# Altium PCB 20bit_40MS_ADC_DIOT_iso.PcbDoc (part 2 of 3) (continued)
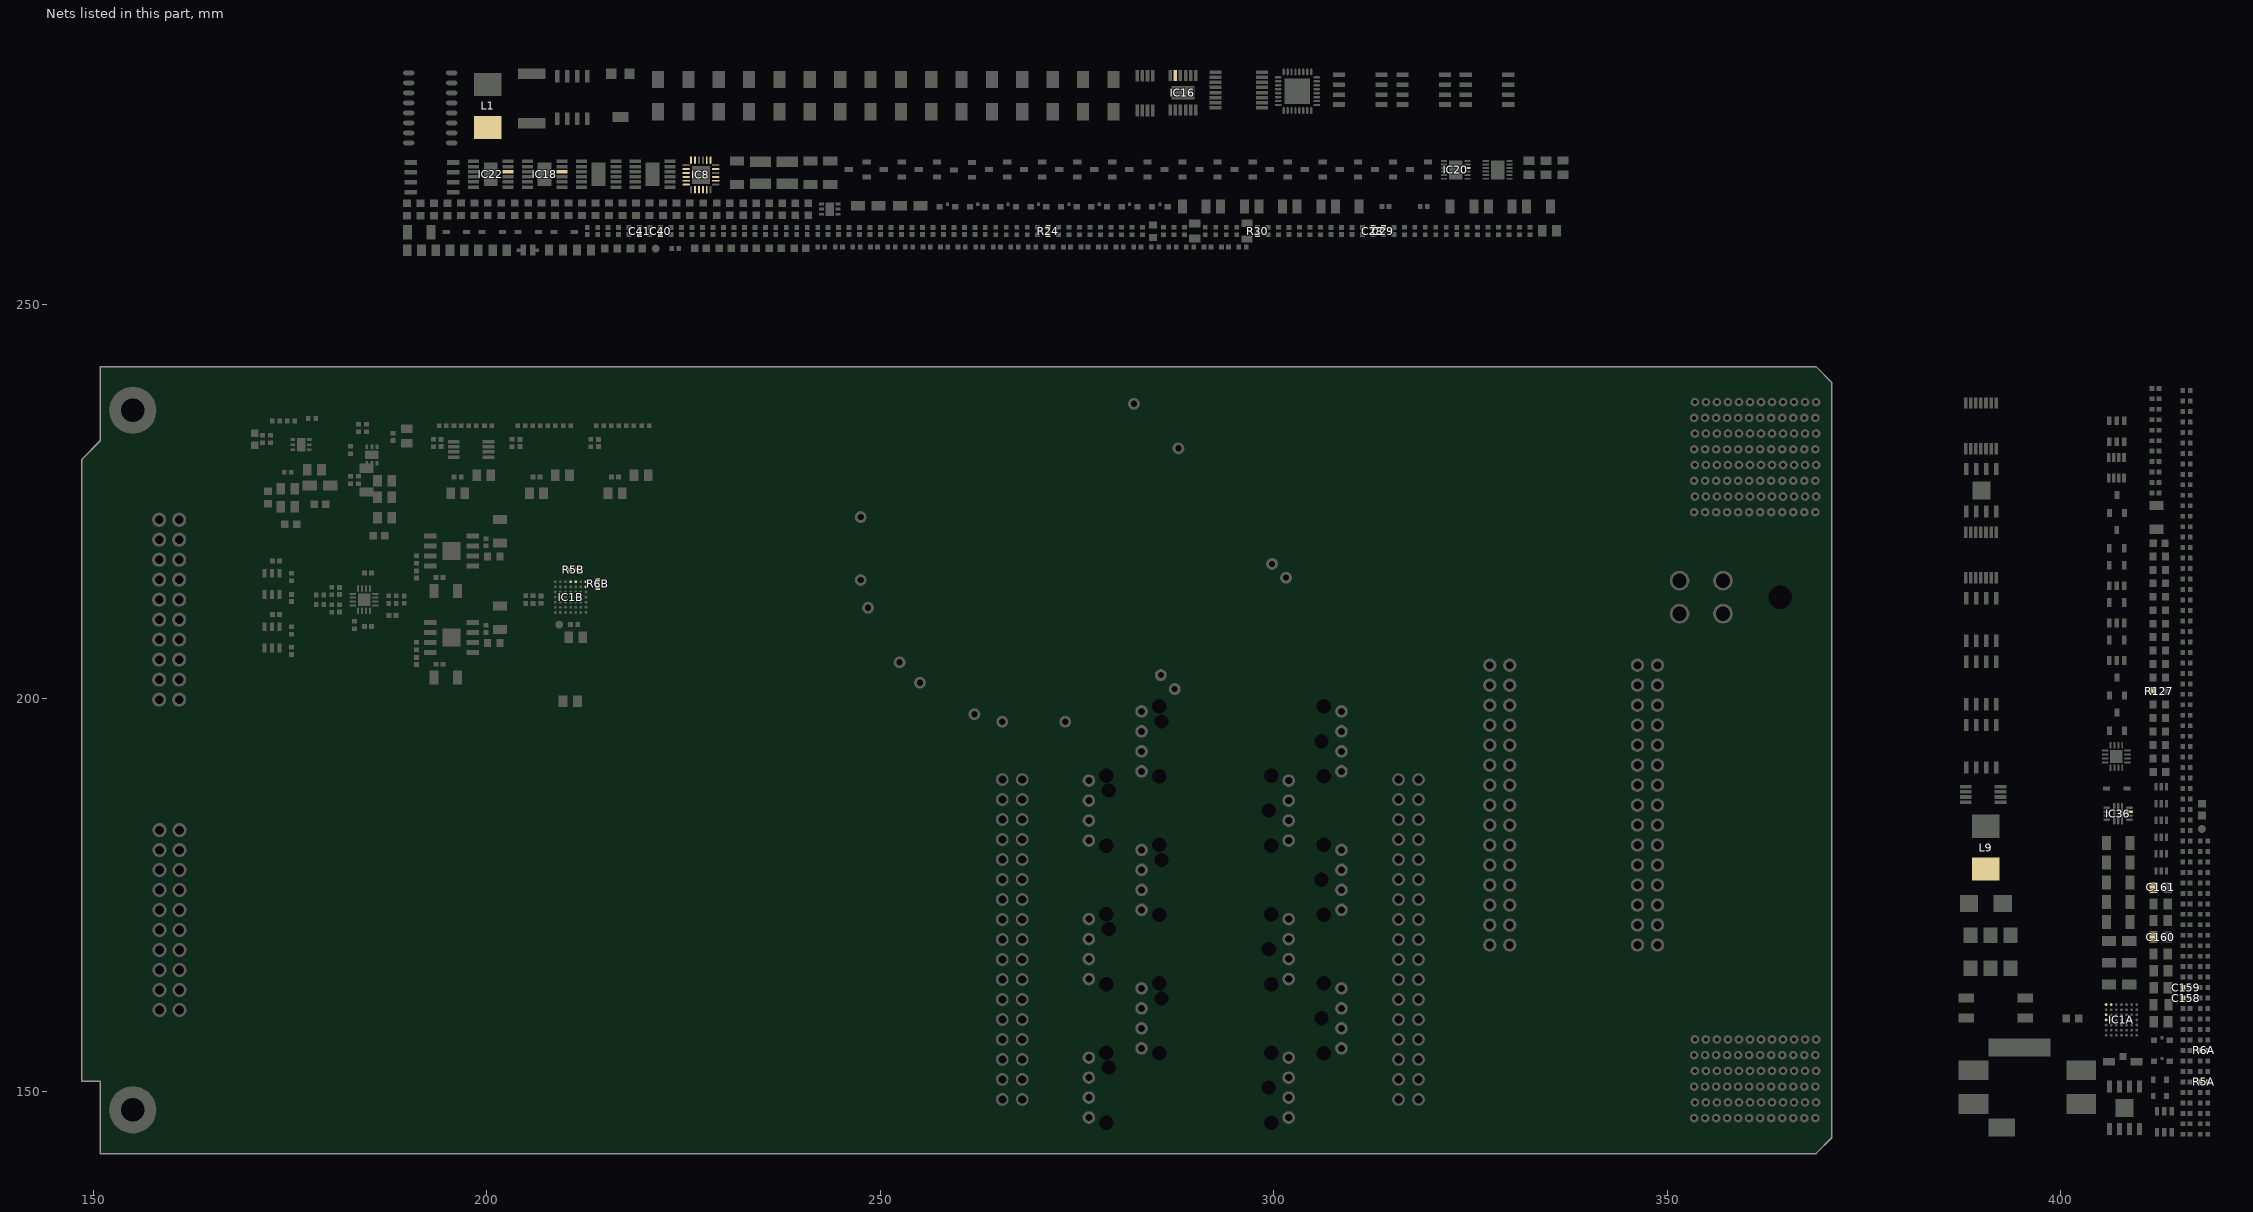
[diagram p2: the nets of this part, all layers, seen from the top]
## Part data (continued)
C73 C74 C90 C91 C92 C93 C94 C95 C131: library part CC1206_47UF_25V_20%_X5R, "Non-polarised capacitor", Case=1206, Manufacturer=TDK, Manufacturer Part Number=C3216X5R1E476M160AC, Tolerance=±20%, Voltage=25V, Author="CERN DEM JLC", Component Type=Standard, ComponentHeight=1.8mm, CreateDate=2013-11-20, HelpURL=\\cern.ch\dfs\Applications\Altium\Datasheets\CC1206_X5R_TDK_C.pdf, LatestRevisionDate=2013-11-20, Mounted=Yes, Part Description="SMD Multilayer Chip Ceramic Capacitor", Part Number=CC1206_47UF_25V_20%_X5R, Pin Count=2, SMD=Yes, Socket=No, Status=None, Table="Capacitors SMD", TC=X5R
C76 C96: library part CTE3216-18_10UF_10V_10%_LESR1800, "Polarised capacitor", Case=A, Manufacturer=GENERIC, Manufacturer1 ComponentHeight=1.8mm, Manufacturer1 Example=AVX, Manufacturer1 Part Number=TPSA106K010R1800, Tolerance=±10%, Voltage=10V, Author="CERN DEM JLC", Component Type=Standard, CreateDate=5/5/2008, HelpURL=\\cern.ch\dfs\Applications\Altium\Datasheets\CTE-LESR_AVX_TPS.pdf, LatestRevisionDate=1/20/2009, Manufacturer Part Number=CTE3216-18_10UF_10V_10%_LESR1800, Mounted=Yes, Part Description="Low ESR 1R8 Solid Tantalum Chip Capacitor", Part Number=CTE3216-18_10UF_10V_10%_LESR1800, Pin Count=2, Sense=No, SMD=Yes, Socket=No, Status=Preferred
C113 C116: library part CC0805_47UF_6.3V_10%_X5R, "Non-polarised capacitor", Case=0805, Manufacturer=GENERIC, Manufacturer1 ComponentHeight=1.4mm, Manufacturer1 Example=KEMET, Manufacturer1 Part Number=C0805C476K9PAC, Tolerance=±10%, Voltage=6.3V, Author="CERN DEM HF", Component Type=Standard, CreateDate=7/10/2023, HelpURL=\\cern.ch\dfs\Applications\Altium\Datasheets\CC0805_X5R_KEMET.pdf, LatestRevisionDate=7/10/2023, Manufacturer Part Number=CC0805_47UF_6.3V_10%_X5R, Mounted=Yes, Part Description="SMD Multilayer Chip Ceramic Capacitor", Part Number=CC0805_47UF_6.3V_10%_X5R, Pin Count=2, Sense=No, SMD=Yes, Socket=No, Status=Preferred, TC=X5R
C123 C125 C129 C134 C150 C152: library part CC0402_1UF_16V_10%_X5R, "Non-polarised capacitor", Case=0402, Manufacturer=GENERIC, Manufacturer1 ComponentHeight=0.55mm, Manufacturer1 Example=TDK, Manufacturer1 Part Number=C1005X5R1C105KT, Tolerance=±10%, Voltage=16V, Author="CERN DEM JLC", Component Type=Standard, CreateDate=10/25/2012, HelpURL=\\cern.ch\dfs\Applications\Altium\Datasheets\CC0402_X5R_TDK_C.pdf, LatestRevisionDate=10/25/2012, Manufacturer Part Number=CC0402_1UF_16V_10%_X5R, Mounted=Yes, Part Description="SMD Multilayer Chip Ceramic Capacitor", Part Number=CC0402_1UF_16V_10%_X5R, Pin Count=2, Sense=No, SMD=Yes, Socket=No, Status=Preferred, TC=X5R
C130 C135: library part CC1206_10UF_25V_10%_X7R, "Non-polarised capacitor", Case=1206, Manufacturer=GENERIC, Manufacturer1 ComponentHeight=1.8mm, Manufacturer1 Example=KEMET, Manufacturer1 Part Number=C1206C106K4RACTU, Manufacturer Part Number=CC1206_10uF_25V_10%_X7R, Tolerance=±10%, Voltage=25V, Author="CERN DEM JLC", Component Type=Standard, CreateDate=2012-09-12, HelpURL=\\cern.ch\dfs\Applications\Altium\Datasheets\CC1206_X7R_KEMET.pdf, LatestRevisionDate=2012-09-12, Mounted=Yes, Part Description="SMD Multilayer Chip Ceramic Capacitor", Part Number=CC1206_10UF_25V_10%_X7R, Pin Count=2, SMD=Yes, Socket=No, Status=Preferred, Table="Capacitors SMD", TC=X7R
C138 C146: library part CC0603_270PF_50V_5%_NP0, "Non-polarised capacitor", Case=0603, Manufacturer=GENERIC, Manufacturer1 ComponentHeight=0.87mm, Manufacturer1 Example=PHYCOMP, Manufacturer1 Part Number=223886715271, Tolerance=±5%, Voltage=50V, Author="CERN DEM JLC", Component Type=Standard, CreateDate=12/3/2007, HelpURL=\\cern.ch\dfs\Applications\Altium\Datasheets\CC0603_NP0_PHYCOMP.pdf, LatestRevisionDate=12/3/2007, Manufacturer Part Number=CC0603_270PF_50V_5%_NP0, Mounted=Yes, Part Description="SMD Multilayer Chip Ceramic Capacitor", Part Number=CC0603_270PF_50V_5%_NP0, Pin Count=2, Sense=No, SMD=Yes, Socket=No, Status=Preferred, TC=C0G/NP0
C139 C140: library part CMIC1210_220PF_100V_0.5PF_CORNELL_MC12F, "Non-polarised capacitor", Case=1210, Manufacturer="CORNELL DUBILIER", Manufacturer Part Number=MC12FA221D-F, Tolerance=±0.5pF, Voltage=100V, Author="CERN DEM JLC", Component Type=Standard, ComponentHeight=2mm, CreateDate=8/10/2011, HelpURL=\\cern.ch\dfs\Applications\Altium\Datasheets\CMIC1210_CORNELL_MC.pdf, LatestRevisionDate=8/10/2011, Mounted=Yes, Part Description="SMD RF Multilayer Mica Capacitor (Type MC)", Part Number=CMIC1210_220PF_100V_0.5PF_CORNELL_MC12F, Pin Count=2, Sense=No, SMD=Yes, Socket=No, Status="Not Recommended"
C142: library part CC0603_1NF_50V_5%_NP0, "Non-polarised capacitor", Case=0603, Manufacturer=GENERIC, Manufacturer1 ComponentHeight=0.9mm, Manufacturer1 Example="YAGEO PHYCOMP", Manufacturer1 Part Number=CC0603JRNPO9BN102, Tolerance=±5%, Voltage=50V, Author="CERN DEM JLC", Component Type=Standard, CreateDate=10/22/2012, HelpURL=\\cern.ch\dfs\Applications\Altium\Datasheets\CC0805_NP0_PHYCOMP_16VTO50V.pdf, LatestRevisionDate=10/22/2012, Manufacturer Part Number=CC0603_1NF_50V_5%_NP0, Mounted=Yes, Part Description="SMD Multilayer Chip Ceramic Capacitor", Part Number=CC0603_1NF_50V_5%_NP0, Pin Count=2, Sense=No, SMD=Yes, Socket=No, Status=Preferred, TC=C0G/NP0
C143 C144 C173 C182: library part CC0603_1UF_25V_10%_X7R, "Non-polarised capacitor", Case=0603, Manufacturer=GENERIC, Manufacturer1 ComponentHeight=0.9mm, Manufacturer1 Example=MURATA, Manufacturer1 Part Number=GRM188R71E105KA12D, Tolerance=±10%, Voltage=25V, Author="CERN DEM JLC", Component Type=Standard, HelpURL=\\cern.ch\dfs\Applications\Altium\Datasheets\CC0603_X7R_MURATA.pdf, Manufacturer Part Number=CC0603_1UF_25V_10%_X7R, Mounted=Yes, Part Description="SMD Multilayer Chip Ceramic Capacitor", Part Number=CC0603_1UF_25V_10%_X7R, Pin Count=2, Sense=No, SMD=Yes, Socket=No, Status=None, TC=X7R
  C143 C144: CreateDate=1/18/2011, LatestRevisionDate=1/18/2011
  C173 C182: CreateDate=18.01.2011, LatestRevisionDate=18.01.2011
C174: library part CTE3216-18_4.7UF_10V_10%_AVX_TPSA475K010T1400, "Polarised capacitor", Case=A, Manufacturer=AVX, Manufacturer Part Number=TPSA475K010T1400, Tolerance=±10%, Voltage=10V, Author="CERN DEM JLC", Component Type=Standard, ComponentHeight=1.8mm, CreateDate=23.01.2018, HelpURL=\\cern.ch\dfs\Applications\Altium\Datasheets\CTE-LESR_AVX_TPS-AUTO.pdf, LatestRevisionDate=23.01.2018, Mounted=Yes, Part Description="Low ESR 1R4 Automotive Solid Tantalum Chip Capacitor", Part Number=CTE3216-18_4.7UF_10V_10%_AVX_TPSA475K010T1400, Pin Count=2, Sense=No, SMD=Yes, Socket=No, Status=Preferred
D1 D4 D7 D8: "Schottky Diode", Case=SOD-323, Manufacturer=INFINEON, Power=750mA, Voltage=40V, Author="CERN DEM JLC", Bonding=No, Component Type=Standard, ComponentHeight=1.1mm, CreateDate=11/12/2014, Device=BAT165, HelpURL=\\cern.ch\dfs\Applications\Altium\Datasheets\BAT165.pdf, LatestRevisionDate=11/12/2014, Manufacturer Part Number=BAT165, Mounted=Yes, PackageDescription="Small Outline Diode (SOD-323), 1.70mm W X 1.25mm L X 1.10mm H body,  IPC Medium Density", Part Description="Medium Power AF Schottky Diode", Part Number=BAT165, Pin Count=2, PressFit=No, Sense=No, SMD=Yes, Socket=No
D2 D3 D5 D6 D9 D10 D11 D12 D13 D14 D15 D16 D17 D18 D19 D20: "Schottky Diode", Case=DO-214AC, Manufacturer="VISHAY GENERAL SEMICONDUCTOR", Power=1A, Voltage=60V, Author="CERN DEM JLC", Bonding=No, Component Type=Standard, ComponentHeight=2.29mm, CreateDate=7/15/2008, Device=SS16, HelpURL=\\cern.ch\dfs\Applications\Altium\Datasheets\SS16.pdf, LatestRevisionDate=8/23/2010, Manufacturer Part Number=SS16, Mounted=Yes, PackageDescription="DO-214-AC/SMA Diode, Molded Body; 5.10mm L X 2.67mm W X 2.29mm H, IPC Medium Density", Part Description="Surface Mount Schottky Barrier Rectifier", Part Number=SS16, Pin Count=2, PressFit=No, Sense=No, SMD=Yes, Socket=No
D21: "Zener Diode", Case=DO-214AA, Manufacturer="FAIRCHILD SEMICONDUCTOR", Power=600W, Voltage=12V, Author="CERN DEM JLC", Bonding=No, Component Type=Standard, ComponentHeight=2.65mm, CreateDate=10.04.2013, Device=SMBJ12A, HelpURL=\\cern.ch\dfs\Applications\Altium\Datasheets\SMBJ.pdf, LatestRevisionDate=10.04.2013, Manufacturer Part Number=SMBJ12A, Mounted=Yes, PackageDescription="DO-214-AA/SMB Diode, Molded Body; 5.34mm L X 3.625mm W X 2.65mm H, IPC Medium Density", Part Description="Uni-Directional Transient Voltage Suppressor Diode", Part Number=SMBJ12A, Pin Count=2, PressFit=No, Sense=No, SMD=Yes, Socket=No
D22: "Schottky Diode", Case=SOD323, Manufacturer=INFINEON, Power=750mA, Voltage=40V, Author="CERN DEM JLC", Bonding=No, Component Type=Standard, ComponentHeight=1.1mm, CreateDate=12.11.2014, Device=BAT165, HelpURL=\\cern.ch\dfs\Applications\Altium\Datasheets\BAT165.pdf, LatestRevisionDate=12.11.2014, Manufacturer Part Number=BAT165, Mounted=Yes, PackageDescription="Small Outline Diode (SOD-323), 1.70mm W X 1.25mm L X 1.10mm H body,  IPC Medium Density", Part Description="Medium Power AF Schottky Diode", Part Number=BAT165, Pin Count=2, PressFit=No, Sense=No, SMD=Yes, Socket=No
D23 D24 D27: "Fivefold ESD Protection Diode Arrays", Case=SOT363, Manufacturer=NEXPERIA, Power=200W, Voltage=3.3V, Author="CERN DEM WB", Bonding=No, Component Type=Standard, ComponentHeight=1.1mm, CreateDate=05.07.2021, Device=PESD3V3L5UY, HelpURL=\\cern.ch\dfs\Applications\Altium\Datasheets\PESD3V3L5UY.pdf, LatestRevisionDate=05.07.2021, Manufacturer Part Number=PESD3V3L5UY, Mounted=Yes, PackageDescription="SOT363, SC-88, 0.65mm Pitch; 6 Pin, 1.25mm W X 2.00mm L X 1.10mm H body, IPC Medium Density", Part Description="Fivefold ESD Protection Diode Arrays (30kV)", Part Number=PESD3V3L5UY, Pin Count=6, PressFit=No, Sense=No, SMD=Yes, Socket=No
D25 D26: "Schottky Diode", Case=SOD-523F, Manufacturer=COMCHIP, Power=500mA, Voltage=20V, Author="CERN DEM HF", Bonding=No, Component Type=Standard, ComponentHeight=1mm, CreateDate=13.10.2023, Device=CDBU0520-HF, HelpURL=\\cern.ch\dfs\Applications\Altium\Datasheets\CDBU0520-HF.pdf, LatestRevisionDate=13.10.2023, Manufacturer Part Number=CDBU0520-HF, Mounted=Yes, PackageDescription="Small Outline Diode Flat Lead (SOD-523F), Body; 1.80mm L X 1mm W X 0.85mm H", Part Description="20V Surface mount Schottky Barrier Diode", Part Number=CDBU0520-HF, Pin Count=2, PressFit=No, Sense=No, SMD=Yes, Socket=No
FL1: library part FIL_MURATA_BNX022-01L, "Block Type EMIFIL (LC Combined)", Manufacturer=MURATA, Manufacturer Part Number=BNX022-01L, Resistance=0.5R, Author="CERN DEM JLC", Component Type=Standard, ComponentHeight=3.3mm, CreateDate=10.10.2012, HelpURL=\\cern.ch\dfs\Applications\Altium\Datasheets\FIL_MURATA_BNX022-01L.pdf, LatestRevisionDate=10.10.2012, Mounted=Yes, Part Description="Block Type EMIFIL (LC Combined) SMD Type, BNX02* Series", Part Number=FIL_MURATA_BNX022-01L, Pin Count=2, Sense=No, SMD=Yes, Socket=No, Status=None
IC1A IC1B: "20-Bit, 40 MSPS, Differential SAR ADC", Case=BGA, Manufacturer="Analog Devices", Author="Michal Beldyga", Component Type=Standard, CreateDate=1/31/2025, Device=AD4080BBCZ, LastRevision=1/31/2025, Manufacturer Part Number=AD4080BBCZ, PackageDescription="BGA, 49-Leads, Body 5.00x5.00mmx1.38mm, Pitch 0.65mm", Part Description="20-Bit, 40 MSPS, Differential SAR ADC", Part Number=AD4080BBCZ, Pin Count=49, Status=Active
IC2A IC2B IC6A IC6B: "Rail-to-Rail Output 215MHz, 1.1nV/√Hz Op Amp/SAR ADC Driver", Case=SOT23-6, Manufacturer="Linear Technology", Author="Michal Beldyga", Component Type=Standard, CreateDate=1/31/2025, Device=LT6236HS6#TRMPBF, LastRevision=1/31/2025, Manufacturer Part Number=LT6236HS6#TRMPBF, PackageDescription="SOT23, 0.95mm pitch; 6 pin, 1.625mm W X 2.90mm L X 1.00mm H body, IPC Medium Density", Part Description="Rail-to-Rail Output 215MHz, 1.1nV/√Hz Op Amp/SAR ADC Driver", Part Number=LT6236HS6#TRMPBF, Pin Count=6, Status=Active
IC3A IC3B IC5A IC5B: "Unity-Gain Stable, Ultralow Distortion, 1 nV/sqrt Hz Voltage Noise, High Speed Operational Amplifier", Case=SOIC8, Manufacturer="ANALOG DEVICES", Manufacturer Part Number=ADA4899-1YRD, Author="CERN DEM JLC", Bonding=No, Component Type=Standard, ComponentHeight=1.75mm, CreateDate=1/13/2010, Device=ADA4899-1YRDZ, HelpURL=\\cern.ch\dfs\Applications\Altium\Datasheets\ADA4899-1YRDZ.pdf, LatestRevisionDate=3/31/2022, Mounted=Yes, PackageDescription="SOIC, 1.27mm Pitch; 8 Pin, 3.90mm W X 4.90mm L X 1.75mm H body (w/Thermal Tab 2.29 X 2.29mm), IPC Medium Density", Part Description="Unity-Gain Stable, Ultralow Distortion, 1nV/sqrt Hz Voltage Noise, High Speed Operational Amplifier", Part Number=ADA4899-1YRDZ, Pin Count=9, PressFit=No, Sense=No, SMD=Yes, Socket=No
IC4A IC4B: "High Speed, ±0.1 µV/˚C Offset Drift, Fully Differential ADC Driver", Case=QFN, Manufacturer="Analog Devices", Author="Michal Beldyga", Component Type=Standard, CreateDate=1/31/2025, Device=ADA4945-1ACPZ-R2, LastRevision=1/31/2025, Manufacturer Part Number=ADA4945-1ACPZ-R2, PackageDescription="QFN, 16-Leads, Body 3.00x3.00mm, Pitch 0.50mm, Thermal Pad 1.60x1.60mm, IPC Medium Density", Part Description="High Speed, ±0.1 µV/˚C Offset Drift, Fully Differential ADC Driver", Part Number=ADA4945-1ACPZ-R2, Pin Count=17, Status=Active
IC7: "Wideband Synthesizer with Integrated VCO", Case=QFN, Manufacturer="Analog Devices", Manufacturer Part Number=ADF4351BCP, Author="Michal Beldyga", Component Type=Standard, CreateDate=2/17/2025, Device=ADF4350BCPZ, LastRevision=2/17/2025, PackageDescription="QFN, (MO-220-WHHD) 0.50mm Pitch, Square; 32 Pin, 5.00mm L X 5.00mm W X 0.80mm H body (w/Thermal Tab 3.25 X 3.25mm), IPC Medium Density", Part Description="Wideband Synthesizer with Integrated VCO", Part Number=ADF4350BCPZ, Pin Count=33, Status=Active
IC8: "1.65 GHz Clock Fanout Buffer with Output Dividers and Delay Adjust", Case=QFN, Manufacturer="Analog Devices", Author="Michal Beldyga", Component Type=Standard, CreateDate=2/8/2025, Device=AD9508BCPZ, LastRevision=2/8/2025, Manufacturer Part Number=AD9508BCPZ, PackageDescription="QFN, 24-Leads, Body 4.00x4.00mm, Pitch 0.50mm, Thermal Pad 2.30x2.30mm, IPC Medium Density", Part Description="1.65 GHz Clock Fanout Buffer with Output Dividers and Delay Adjust", Part Number=AD9508BCPZ, Pin Count=25, Status=Active
IC9: library part FIN1027A, "3.3V LVDS, 2-Bit, High-Speed, Differential Driver", Case=SOIC8, Manufacturer="ON Semiconductor", Author=GK, Bonding=No, Component Type=Standard, ComponentHeight=0.8mm, CreateDate=08/11/2016, Device=FIN1027AMX, HelpURL=\\cern.ch\dfs\Applications\Altium\Datasheets\FIN1101K8X.pdf, LatestRevisionDate=08/11/2016, Manufacturer Part Number=FIN1027AMX, Mounted=Yes, PackageDescription="SOIC 8, Pitch 1.27mm - Body 4x5mm, IPC Medium Density", Part Description="3.3V LVDS, 2-Bit, High-Speed, Differential Driver", Part Number=FIN1027AMX, Pin Count=8, PressFit=No, Sense=No, SMD=Yes, Socket=No
IC10: "3-Line to 8-Line Decoder/Demultiplexer", Case=TSSOP16, Manufacturer="NXP SEMICONDUCTORS", Author="CERN DEM JLC", Bonding=No, Component Type=Standard, ComponentHeight=1.1mm, CreateDate=6/9/2015, Device=74HC138PW, HelpURL=\\cern.ch\dfs\Applications\Altium\Datasheets\74HC138PW.pdf, LatestRevisionDate=6/9/2015, Manufacturer Part Number=74HC138PW, Mounted=Yes, PackageDescription="SOP, 0.65mm Pitch; 16 Pin, 4.40mm W X 5.00mm L X 1.10mm H body IPC Medium Density", Part Description="3-Line to 8-Line Decoder/Demultiplexer, Inverting", Part Number=74HC138PW, Pin Count=16, PressFit=No, Sense=No, SMD=Yes, Socket=No
IC11 IC12 IC13: library part FIN1028, "3.3V LVDS 2-Bit High-Speed Differential Reciever", Case=SOIC8, Manufacturer="ON Semiconductor", Author=GK, Bonding=No, Component Type=Standard, ComponentHeight=0.8mm, CreateDate=08/11/2016, Device=FIN1028MX, HelpURL=\\cern.ch\dfs\Applications\Altium\Datasheets\FIN1101K8X.pdf, LatestRevisionDate=08/11/2016, Manufacturer Part Number=FIN1028MX, Mounted=Yes, PackageDescription="SOIC 8, Pitch 1.27mm - Body 4x5mm, IPC Medium Density", Part Description="3.3V LVDS 2-Bit High-Speed Differential Reciever", Part Number=FIN1028MX, Pin Count=8, PressFit=No, Sense=No, SMD=Yes, Socket=No
IC14 IC16 IC18 IC22 IC23: "20V, 500mA, Ultralow Noise, Ultrahigh PSRR Linear Regulator", Case=MSOP12, Manufacturer="LINEAR TECHNOLOGY", Author="CERN DEM HF", Bonding=No, Component Type=Standard, ComponentHeight=1.1mm, CreateDate=5/18/2022, Device=LT3045EMSE, HelpURL=\\cern.ch\dfs\Applications\Altium\Datasheets\LT3045.pdf, LatestRevisionDate=5/18/2022, Manufacturer Part Number=LT3045EMSE, Mounted=Yes, PackageDescription="SOP, 0.65mm Pitch; 12 Pin, 3.00mm W X 4.039mm L X 1.10mm H body (w/Thermal Tab 1.75 X 2.94 mm), IPC Medium Density", Part Description="20V, 500mA, Ultralow Noise, Ultrahigh PSRR Linear Regulator", Part Number=LT3045EMSE, Pin Count=13, PressFit=No, Sense=No, SMD=Yes, Socket=No
IC15 IC20: library part LT3094EDD#PBF, "-20V, 500mA, Ultralow Noise, Ultrahigh PSRR Negative Linear Regulator", Case=SON12, Manufacturer="LINEAR TECHNOLOGY", Author="CERN DEM JLC", Bonding=No, Component Type=Standard, ComponentHeight=0.8mm, CreateDate=11/12/2018, Device=LT3094EDD, HelpURL=\\cern.ch\dfs\Applications\Altium\Datasheets\LT3094EDD#PBF.pdf, LatestRevisionDate=2/3/2022, Manufacturer Part Number=LT3094EDD, Mounted=Yes, PackageDescription="SON, 0.45mm Pitch; 12 Pin, 3.00mm W X 3.00mm L X 0.80mm H body (w/Thermal Tab 1.75 X 2.48mm), IPC Medium Density", Part Description="-20V, 500mA, Ultralow Noise, Ultrahigh PSRR Negative Linear Regulator", Part Number=LT3094EDD#PBF, Pin Count=13, PressFit=No, Sense=No, SMD=Yes, Socket=No
IC17 IC19 IC21: "3.3V, 500mA Low-Noise, Low-IQ LDO", Case=SON6, Manufacturer="TEXAS INSTRUMENTS", Author="CERN DEM JLC", Bonding=No, Component Type=Standard, ComponentHeight=0.8mm, CreateDate=6/6/2017, Device=LP5912-3.3DRVT, HelpURL=\\cern.ch\dfs\Applications\Altium\Datasheets\LP5912-3.3DRVT.pdf, LatestRevisionDate=6/6/2017, Manufacturer Part Number=LP5912-3.3DRVT, Mounted=Yes, PackageDescription="SON, 0.65mm Pitch; 6 Pin, 2.00mm W X 2.00mm L X 0.80mm H body (w/Thermal Tab 1.10 X 1.70mm),  IPC Medium Density", Part Description="3.3V, 500mA Low-Noise, Low-IQ, LDO Linear Regulator", Part Number=LP5912-3.3DRVT, Pin Count=7, PressFit=No, Sense=No, SMD=Yes, Socket=No
IC24 IC25: "0.25ppm Noise, Low Drift Precision Buffered Voltage Reference", Case=SSOP8, Manufacturer="ANALOG DEVICES", Author="CERN DEM HF", Bonding=No, Component Type=Standard, ComponentHeight=1.1mm, CreateDate=12/13/2021, Device=LTC6655BHMS8-3, HelpURL=\\cern.ch\dfs\Applications\Altium\Datasheets\LTC6655BHMS8-3.pdf, LatestRevisionDate=12/13/2021, Manufacturer Part Number=LTC6655BHMS8-3, Mounted=Yes, PackageDescription="SOP, 8-Leads, Body 3.1x3.1mm (max), Pitch 0.65mm, IPC Medium Density", Part Description="3V, 0.25ppm Noise, Low Drift Precision Buffered Voltage Reference", Part Number=LTC6655BHMS8-3, Pin Count=8, PressFit=No, Sense=No, SMD=Yes, Socket=No
IC26 IC27 IC28 IC29 IC33 IC34: "High Voltage Galvanic Insulation Link for DC to 5MBaud", Manufacturer=BROADCOM, Author="CERN DEM HF", Bonding=No, Component Type=Standard, ComponentHeight=6.7mm, CreateDate=2/10/2022, Device=AFBR-390525RZ, HelpURL=\\cern.ch\dfs\Applications\Altium\Datasheets\AFBR-390525RZ.pdf, LatestRevisionDate=3/21/2022, Manufacturer Part Number=AFBR-390525RZ, Mounted=Yes, PackageDescription="BROADCOM AFBR-390525RZ Case, Body 30.46mm L X 10.16mm W X 6.7mm H", Part Description="High Voltage Galvanic Insulation Link for DC to 5MBaud, Length 25mm, 15kV Voltage Suppression", Part Number=AFBR-390525RZ, Pin Count=8, PressFit=No, Sense=No, SMD=No, Socket=No
IC30: "Improved high-voltage resonant controller", Case=SOP, Manufacturer=STMicroelectronics, Author="Michal Beldyga", Component Type=Standard, CreateDate=2/9/2025, Device=L6599AD, LastRevision=2/9/2025, Manufacturer Part Number=L6599AD, PackageDescription="SOP, 16-Leads, Body 9.90x3.90mm, Pitch 1.27mm, IPC Medium Density", Part Description="Improved high-voltage resonant controller", Part Number=L6599AD, Pin Count=16, Status=Active
IC31: "Optocoupler", Manufacturer="TT Electronics", Author="Michal Beldyga", Component Type=Standard, CreateDate=2/9/2025, Device=OPI1264C, LastRevision=2/9/2025, Manufacturer Part Number=OPI1264C, PackageDescription="Low‐cost plastic housing", Part Description="Optically Coupled Isolator", Part Number=OPI1264C, Pin Count=4, Status=Active
IC32 IC39: "Precision Reference 1=Cathode 2=Adj 3=Anode", Case=SOT23-3, Manufacturer="TEXAS INSTRUMENTS", Author="CERN DEM JMW", Bonding=No, Component Type=Standard, ComponentHeight=1.12mm, CreateDate=10/22/2015, Device=TL431AIDBZ, HelpURL=\\cern.ch\dfs\Applications\Altium\Datasheets\TL431AIDBZ.pdf, LatestRevisionDate=10/22/2015, Manufacturer Part Number=TL431AIDBZ, Mounted=Yes, PackageDescription="SOT, 0.95mm, Pitch; 3 Pin,1.30mm W X 2.92mm L X 1.12mm H body, IPC Medium Density", Part Description="Vref (2.495V) To 36V 1% Precision Programmable Reference", Part Number=TL431AIDBZ, Pin Count=3, PressFit=No, Sense=No, SMD=Yes, Socket=No
IC35: "2.7V to 5.5V, 250µA, Rail-to-Rail Output 16-Bit nanoDAC", Case=SOT23-8, Manufacturer="ANALOG DEVICES", Manufacturer Part Number=AD5662BRJZ-2, Author="CERN DEM JLC", Bonding=No, Component Type=Standard, ComponentHeight=1.45mm, CreateDate=5/9/2012, Device=AD5662BRJZ-2500RL7, HelpURL=\\cern.ch\dfs\Applications\Altium\Datasheets\AD5662BRJZ-2500RL7.pdf, LatestRevisionDate=3/25/2022, Mounted=Yes, PackageDescription="SOT, 0.65mm pitch; 8 pin, 1.625mm W X 2.90mm L X 1.45mm H body, IPC Medium Density", Part Description="2.7V to 5.5V, 250μA, Rail-to-Rail Output 16-Bit nanoDAC", Part Number=AD5662BRJZ-2500RL7, Pin Count=8, PressFit=No, Sense=No, SMD=Yes, Socket=No
IC36: "3V-17V 2A Step-Down Converter, High Accuracy, With DCS-Control", Case=QFN14, Manufacturer="TEXAS INSTRUMENTS", Author="CERN DEM MR", Bonding=No, Component Type=Standard, ComponentHeight=1mm, CreateDate=08.02.2019, Device=TPS62148RGX, HelpURL=\\cern.ch\dfs\Applications\Altium\Datasheets\TPS62148RGX.pdf, LatestRevisionDate=08.02.2019, Manufacturer Part Number=TPS62148RGX, Mounted=Yes, PackageDescription="TEXAS Case Style (R-VQFN-HR-N11), 0.50mm Pitch, 11 Pin, 2.00mm W X 3.00mm L X 1.00mm H body", Part Description="3V-17V 2A Step-Down Converter, High Accuracy, with DCS-Control", Part Number=TPS62148RGX, Pin Count=11, PressFit=No, Sense=No, SMD=Yes, Socket=No
IC37: "Digital Temperature Sensor and Thermal Watchdog with Two-Wire Interface", Case=SSOP8, Manufacturer="TEXAS INSTRUMENTS", Author="CERN DEM JLC", Bonding=No, Component Type=Standard, ComponentHeight=1.09mm, CreateDate=15.10.2012, Device=LM75AIMM/NOPB, HelpURL=\\cern.ch\dfs\Applications\Altium\Datasheets\LM75AIMM-NOPB.pdf, LatestRevisionDate=15.10.2012, Manufacturer Part Number=LM75AIMM/NOPB, Mounted=Yes, PackageDescription="SOP, 0.65mm pitch; 8 pin,3.00mm W X 3.00mm L X 1.09mm H bodyI, PC Medium Density", Part Description="-25° to +100°C ±2°C Digital Temperature Sensor and Thermal Watchdog with Two-Wire Interface", Part Number=LM75AIMM/NOPB, Pin Count=8, PressFit=No, Sense=No, SMD=Yes, Socket=No
IC38: "500mA Peak Output LDO Regulator", Case=SOT23-5, Manufacturer="MICROCHIP TECHNOLOGY", Author="CERN DEM WB", Bonding=No, Component Type=Standard, ComponentHeight=1.45mm, CreateDate=2019-04-16, Device=MIC5219-3.3YM5, HelpURL=\\cern.ch\dfs\Applications\Altium\Datasheets\MIC5219-3.3YM5.pdf, LatestRevisionDate=2019-04-16, Manufacturer Part Number=MIC5219-3.3YM5, Mounted=Yes, PackageDescription="SOT, 0.95mm pitch; 5 pin, 1.60mm W X 2.90mm L X 1.45mm H body, IPC Medium Density", Part Description="3.3V 500mA Peak Output Low Drop-Out  (LDO) Regulator", Part Number=MIC5219-3.3YM5, Pin Count=5, PressFit=No, Sense=No, SMD=Yes, Socket=No
IC40 IC41: Case=TSSOP14, Manufacturer="NXP SEMICONDUCTORS", Author="CERN DEM JLC", Bonding=No, Component Type=Standard, ComponentHeight=1.1mm, CreateDate=2014-11-19, Device=74HC4066PW, HelpURL=\\cern.ch\dfs\Applications\Altium\Datasheets\74HC4066PW.pdf, LatestRevisionDate=2014-11-19, Manufacturer Part Number=74HC4066PW, Mounted=Yes, PackageDescription="SOP, 14-Leads, Body 4.4x5mm (max), Pitch 0.65mm, IPC Medium Density", Part Description="Quad Single-Pole Single-Throw Analog Switch", Part Number=74HC4066PW, Pin Count=14, PressFit=No, SMD=Yes, Socket=No, Table="Standard Logic"
IC42: "LinCMOS Timer", Case=SOIC8, Manufacturer="TEXAS INSTRUMENTS", Author="CERN DEM JMW", Bonding=No, Component Type=Standard, ComponentHeight=1.75mm, CreateDate=23.08.2016, Device=TLC555ID, HelpURL=\\cern.ch\dfs\Applications\Altium\Datasheets\TLC555ID.pdf, LatestRevisionDate=23.08.2016, Manufacturer Part Number=TLC555ID, Mounted=Yes, PackageDescription="SOIC 8, Pitch 1.27mm, Body 4x5mm, IPC Medium Density", Part Description="LinCMOS Timer", Part Number=TLC555ID, Pin Count=8, PressFit=No, Sense=No, SMD=Yes, Socket=No
IC43 IC45: "1.7V-5.5V, 2K I2C Serial EEPROM With EUI-48 Node Identity", Case=SOT23-5, Manufacturer="MICROCHIP TECHNOLOGY", Author="CERN DEM MR", Bonding=No, Component Type=Standard, ComponentHeight=1.45mm, CreateDate=31.03.2016, Device=24AA02E48T-I/OT, HelpURL=\\cern.ch\dfs\Applications\Altium\Datasheets\24AA02E48T-I-OT.pdf, LatestRevisionDate=31.03.2016, Manufacturer Part Number=24AA02E48T-I/OT, Mounted=Yes, PackageDescription="SOT, 0.95mm pitch; 5 pin, 1.60mm W X 2.90mm L X 1.45mm H body, IPC Medium Density", Part Description="1.7V-5.5V, 2K I2C Serial EEPROM with EUI-48 Node Identity", Part Number=24AA02E48T-I/OT, Pin Count=5, PressFit=No, Sense=No, SMD=Yes, Socket=No
IC44 IC46: "1.7V-5.5V, 2K I2C™ Serial EEPROMs with EUI-48™ Node Identity", Case=SOIC8, Manufacturer="MICROCHIP TECHNOLOGY", Author="CERN DEM MR", Bonding=No, Component Type=Standard, ComponentHeight=1.75mm, CreateDate=19.07.2016, Device=24AA025E48-I/SN, HelpURL=\\cern.ch\dfs\Applications\Altium\Datasheets\24AA025E48-I-SN.pdf, LatestRevisionDate=19.07.2016, Manufacturer Part Number=24AA025E48-I/SN, Mounted=Yes, PackageDescription="SOIC 8, Pitch 1.27mm - Body 4x5mm, IPC Medium Density", Part Description="1.7V-5.5V, 2K I2C™ Serial EEPROMs with EUI-48™ Node Identity", Part Number=24AA025E48-I/SN, Pin Count=8, PressFit=No, Sense=No, SMD=Yes, Socket=No
J1A J1B: library part WURTH_61202021621, "Connector 20 Male", Manufacturer="WURTH ELEKTRONIK", Manufacturer Part Number=61202021621, Author="CERN DEM HF", Component Type=Standard, ComponentHeight=9.25mm, CreateDate=11/14/2023, Family="Header 20", HelpURL=\\cern.ch\dfs\Applications\Altium\Datasheets\WURTH_61202021621.pdf, LatestRevisionDate=11/14/2023, Mounted=Yes, Part Description="20 Contacts, Pitch 2.54mm, Dual Row Male Box Header", Part Number=WURTH_61202021621, Pin Count=20, PressFit=No, Sense=No, SMD=No, Socket=No, Status=None
J2: library part MOLEX_39-30-0040, "Connector 4 Male", Manufacturer=MOLEX, Manufacturer Part Number=39-30-0040, Author="CERN DEM JLC", Component Type=Standard, ComponentHeight=11.4mm, CreateDate=2018-10-02, Family="Mini-Fit Jr.™", HelpURL=\\cern.ch\dfs\Applications\Altium\Datasheets\MOLEX_39-30-0040.pdf, LatestRevisionDate=2018-10-02, Mounted=Yes, Part Description="4.20mm (.165\") Pitch Mini-Fit Jr. Header, Dual Row, Right Angle with Snap-in Plastic Peg PCB Lock, 4 Circuits", Part Number=MOLEX_39-30-0040, Pin Count=4, PressFit=No, Sense=No, SMD=No, Socket=No, Status=None
J6: library part AMPHENOL_10052825-101LF, "72 Contacts Header, 6 Columns, 4 Pairs per Column", Manufacturer=AMPHENOL, Manufacturer Part Number=10052825-101LF, Author="CERN DEM MR", ClassName=Overlapping, Component Type=Standard, ComponentHeight=15.35mm, ComponentLink1Description=Application, ComponentLink1URL=\\cern.ch\dfs\Applications\Altium\Datasheets\AMPHENOL_10052825-101LF_Application.pdf, CreateDate=19/02/2018, Family="AirMax VS", HelpURL=\\cern.ch\dfs\Applications\Altium\Datasheets\AMPHENOL_10052825-101LF.pdf, LatestRevisionDate=19/02/2018, Mounted=Yes, Part Description="72 Contacts, 2mm Pitch, 6 Columns, 4 Pairs per Column, 4 Walls, Right Angle Header", Part Number=AMPHENOL_10052825-101LF, Pin Count=72, PressFit=Yes, Sense=No, SMD=No, Socket=No, Status=None
J7: library part AMPHENOL_10052838-101LF, "96 Contacts Header, 8 Columns, 4 Pairs per Column", Manufacturer=AMPHENOL, Manufacturer Part Number=10052838-101LF, Author="CERN DEM MR", Component Type=Standard, ComponentHeight=15.35mm, ComponentLink1Description=Application, ComponentLink1URL=\\cern.ch\dfs\Applications\Altium\Datasheets\AMPHENOL_10052838-101LF_Application.pdf, CreateDate=19.02.2018, Family="AirMax VS", HelpURL=\\cern.ch\dfs\Applications\Altium\Datasheets\AMPHENOL_10052838-101LF.pdf, LatestRevisionDate=19.02.2018, Mounted=Yes, Part Description="96 Contacts, 2mm Pitch, 8 Columns, 4 Pairs per Column, 4 Walls, Right Angle Header", Part Number=AMPHENOL_10052838-101LF, Pin Count=96, PressFit=Yes, Sense=No, SMD=No, Socket=No, Status=None
J8 J9: library part 3M_N2530-6002RB, "Connector 30 Male", Manufacturer=3M, Manufacturer Part Number=N2530-6002RB, Author="CERN DEM JLC", Component Type=Standard, ComponentHeight=10.03mm, CreateDate=11.02.2009, Family="Header 30", HelpURL=\\cern.ch\dfs\Applications\Altium\Datasheets\3M_N2530-6002RB.pdf, LatestRevisionDate=11.08.2009, Mounted=Yes, Part Description="30 Contacts - Straight .100'' x .100'' Low Profile Four-Wall Header, 2500 Series", Part Number=3M_N2530-6002RB, Pin Count=30, PressFit=No, Sense=No, SMD=No, Socket=No, Status=None
L1 L9: library part IND_1.5UH_20%_WURTH_WE-LHMI_74437349015, "Inductor With Core", Manufacturer="WURTH ELEKTRONIK", Manufacturer Part Number=74437349015, Power=8A, Resistance=0.0086R, Tolerance=±20%, Author="CERN DEM MR", Component Type=Standard, ComponentHeight=5mm, CreateDate=27.05.2016, HelpURL=\\cern.ch\dfs\Applications\Altium\Datasheets\IND_WURTH_WE-LHMI_74437349015.pdf, LatestRevisionDate=27.05.2016, Mounted=Yes, Part Description="SMD Power Inductor (WE-LHMI Series)", Part Number=IND_1.5UH_20%_WURTH_WE-LHMI_74437349015, Pin Count=2, Sense=No, SMD=Yes, Socket=No
L2 L4 L5 L6: library part "IND0402_100NH_5%_JOHANSON_ L-07CR10JV6T", "Inductor", Current=100mA, DC Resistance=N/A, Manufacturer="Johanson Technology", Manufacturer Part Number=LRC0402CJR10GV001T, Tolerance=±5%, Author="Michal Beldyga", Component Type=Standard, ComponentHeight=0.5mm, CreateDate=2/17/2025, LatestRevisionDate=2/17/2025, Part Description="RF Ceramic Chip Inductor", Part Number="IND0402_100NH_5%_JOHANSON_ L-07CR10JV6T", Pin Count=2, SMD=Yes, Status=Active
L3 L11: library part IND0603_MURATA_BLM18SG121TN1D, Case=0603, Manufacturer=MURATA, Manufacturer Part Number=BLM18SG121TN1D, Power=3A, Resistance=0.025R, Tolerance=±25%, Author="CERN DEM JLC", Component Type=Standard, ComponentHeight=0.65mm, CreateDate=7/23/2014, HelpURL=\\cern.ch\dfs\Applications\Altium\Datasheets\IND0603_MURATA_BLM18S.pdf, LatestRevisionDate=10/25/2018, Mounted=Yes, Part Description="SMD EMIFIL Suppression Chip Ferrite Bead", Part Number=IND0603_MURATA_BLM18SG121TN1D, Pin Count=2, Sense=No, SMD=Yes, Socket=No
L7 L8: library part IND0603_MURATA_BLM18BD601SN1D, Case=0603, Manufacturer=MURATA, Manufacturer Part Number=BLM18BD601SN1D, Power=200mA, Resistance=0.65R, Tolerance=±25%, Author="CERN DEM JLC", Component Type=Standard, ComponentHeight=0.95mm, CreateDate=7/4/2012, HelpURL=\\cern.ch\dfs\Applications\Altium\Datasheets\IND0603_MURATA_BLM18B.pdf, LatestRevisionDate=10/25/2018, Mounted=Yes, Part Description="SMD EMIFIL Suppression Chip Ferrite Bead", Part Number=IND0603_MURATA_BLM18BD601SN1D, Pin Count=2, Sense=No, SMD=Yes, Socket=No
L10: library part IND_250UH_50%_WURTH_WE-SL2-744224, "Inductor Common Mode", Manufacturer="WURTH ELEKTRONIK", Manufacturer Part Number=744224, Power=1.2A, Resistance=0.13R, Tolerance=±50%, Author="CERN DEM JLC", Component Type=Standard, ComponentHeight=5.3mm, CreateDate=02.12.2009, HelpURL=\\cern.ch\dfs\Applications\Altium\Datasheets\IND_WURTH_WE-SL2_744224.pdf, LatestRevisionDate=15.10.2012, Mounted=Yes, Part Description="Common Mode SMD Line Filter (WE-SL2 Series)", Part Number=IND_250UH_50%_WURTH_WE-SL2-744224, Pin Count=4, Sense=No, SMD=Yes, Socket=No
LD1 LD2 LD3 LD4 LD5 LD6 LD7 LD8 LD10 LD11: library part LED_AVAGO_HSME-C120, "LED Green 1C 2A", Manufacturer="AVAGO TECHNOLOGIES", Manufacturer Part Number=HSME-C120, Author="CERN DEM JMW", Bonding=No, Color=Green, Component Type=Standard, ComponentHeight=0.7mm, ComponentLink1Description="Design Guide", ComponentLink1URL=\\cern.ch\dfs\Applications\Altium\Datasheets\LED_AVAGO_HSME-C110_DESIGN-GUIDE.pdf, CreateDate=22.07.2009, HelpURL=\\cern.ch\dfs\Applications\Altium\Datasheets\LED_AVAGO_HSME-C120.pdf, LatestRevisionDate=20.06.2012, Mounted=Yes, PackageDescription="Green Chip LED, 2-Leads, Body 1.7x1.1mm, Side Emitting Package", Part Description="High Performance Right Angle Chip Green LED", Part Number=LED_AVAGO_HSME-C120, Pin Count=2, PressFit=No, Sense=No, SMD=Yes, Socket=No
LD9: library part LED_AVAGO_HSMC-C110, "LED Red 1C 2A", Case=1206, Manufacturer="AVAGO TECHNOLOGIES", Manufacturer Part Number=HSMC-C110, Author="CERN DEM JMW", Bonding=No, Color=Red, Component Type=Standard, ComponentHeight=1.1mm, ComponentLink1Description="Design Guide", ComponentLink1URL=\\cern.ch\dfs\Applications\Altium\Datasheets\LED_AVAGO_HSMC-C110_DESIGN-GUIDE.pdf, CreateDate=30.07.2009, HelpURL=\\cern.ch\dfs\Applications\Altium\Datasheets\LED_AVAGO_HSMC-C110.pdf, LatestRevisionDate=20.06.2012, Mounted=Yes, PackageDescription="Red Chip LED, 2-Leads, Body 3.3x1.6mm, Side Emitting Package", Part Description="High Performance Right Angle Chip Red LED", Part Number=LED_AVAGO_HSMC-C110, Pin Count=2, PressFit=No, Sense=No, SMD=Yes, Socket=No, Status="Not Recommended"
M1 M2: library part PLATED_HOLE3.0_PAD6.0, "Single Terminal Socket", Author="CERN DEM JLC", Component Type="Standard (No BOM)", ComponentHeight=0mm, CreateDate=26.05.2008, Family="Plated Hole", LatestRevisionDate=26.05.2008, Mounted=No, PackageDescription="Plated Through Hole: Hole Dia.=3.0mm Pad Dia.=6.0mm", Part Description="Plated Through Hole: Hole Dia.=3.0mm Pad Dia.=6.0mm", Part Number=PLATED_HOLE3.0_PAD6.0, Pin Count=1, SMD=No, Socket=No, Status=None, Table=Pads
MOD1 MOD2: library part ADC_40M_20b_optoisolator, "5X AFBR-FS50B00. AC coupled, 100Ω terminated"
OSC1: library part OSC_25MHZ_PERICOM_FRETHE025, "3.3V CMOS 25.000MHz Ethernet VCXO", Manufacturer=PERICOM, Manufacturer Part Number=FRETHE025, Author="CERN DEM JLC", Bonding=No, Component Type=Standard, ComponentHeight=1.55mm, CreateDate=5/10/2012, HelpURL=\\cern.ch\dfs\Applications\Altium\Datasheets\OSC_PERICOM_FRETHE025.pdf, LatestRevisionDate=5/10/2012, Mounted=Yes, PackageDescription="SMD Oscillator, Side Concave; 2.54mm Pitch, 6 Pins, 5.00mm L X 7.00mm W X 1.55mm H", Part Description="3.3V, ±25ppm, 15pF, -20..70°C,CMOS Ethernet VCXO", Part Number=OSC_25MHZ_PERICOM_FRETHE025, Pin Count=6, PressFit=No, Sense=No, SMD=Yes, Socket=No
P1: library part TRIM_1T_10K_BOURNS_3314G-1-103E, "Trimming Potentiometer", Case=3314G-1, Manufacturer=BOURNS, Manufacturer Part Number=3314G-1-103E, Power=0.25W, Tolerance=±20%, Author="CERN DEM JLC", Component Type=Standard, ComponentHeight=2.55mm, CreateDate=3/4/2014, HelpURL=\\cern.ch\dfs\Applications\Altium\Datasheets\TRIM_BOURNS_3314G-1.pdf, LatestRevisionDate=3/4/2014, Mounted=Yes, Part Description="Single Turn 4mm Square Trimpot® Trimming Potentiometer (Top Adjust)", Part Number=TRIM_1T_10K_BOURNS_3314G-1-103E, Pin Count=3, PressFit=No, Sense=No, SMD=Yes, Socket=No, TC=±100ppm/°C